# KiCad board corne-cherry.kicad_pcb
title: Corne; date: 2023-10-22; rev: 4.0.0; company: foostan
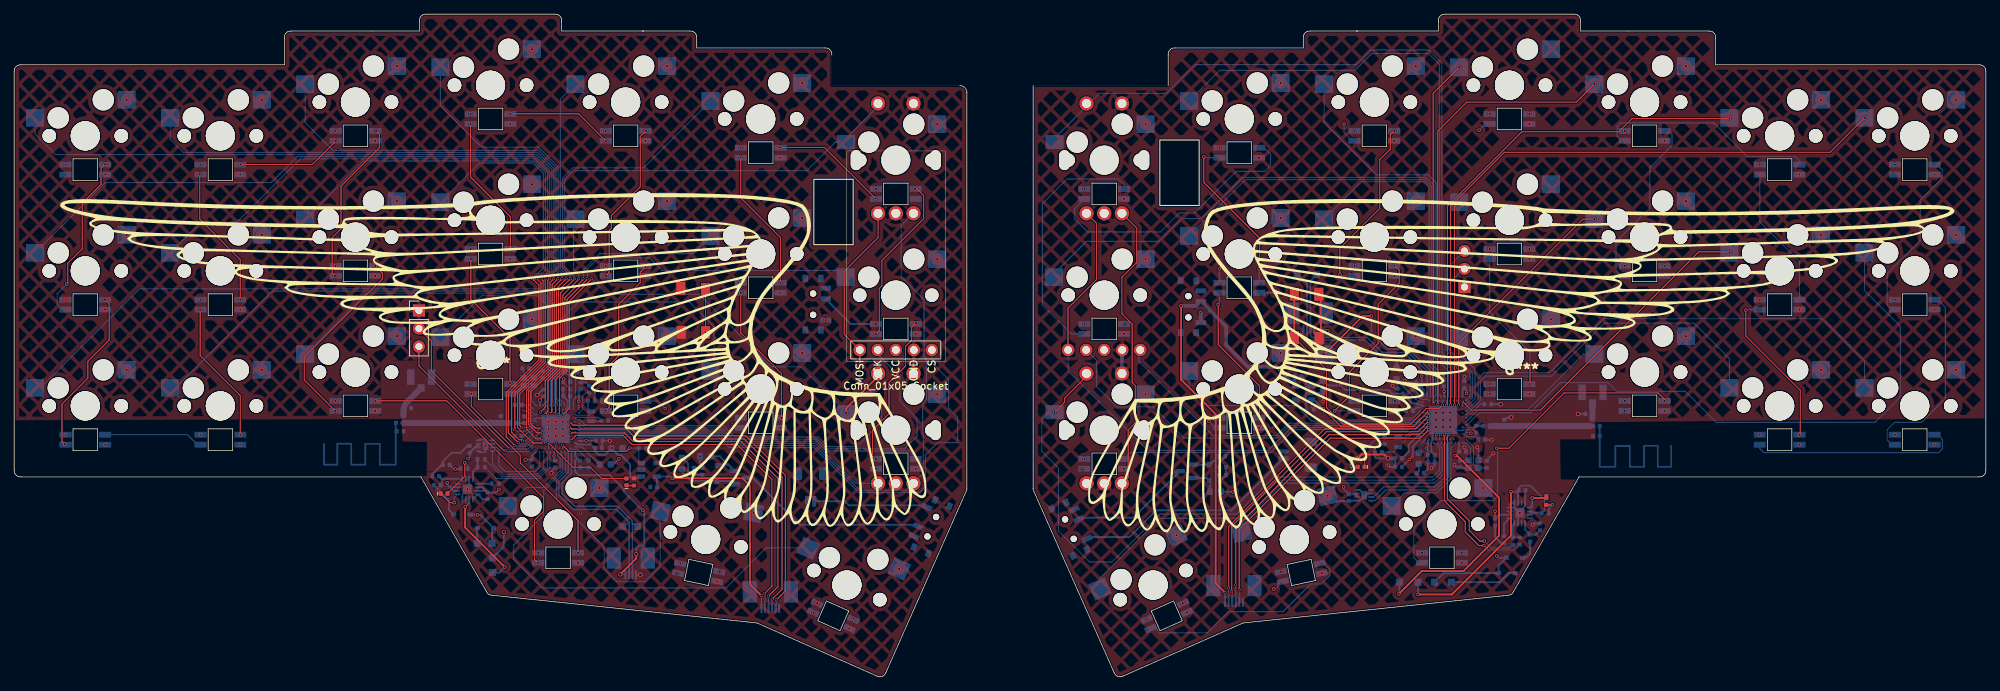
[diagram p0: board, top side]
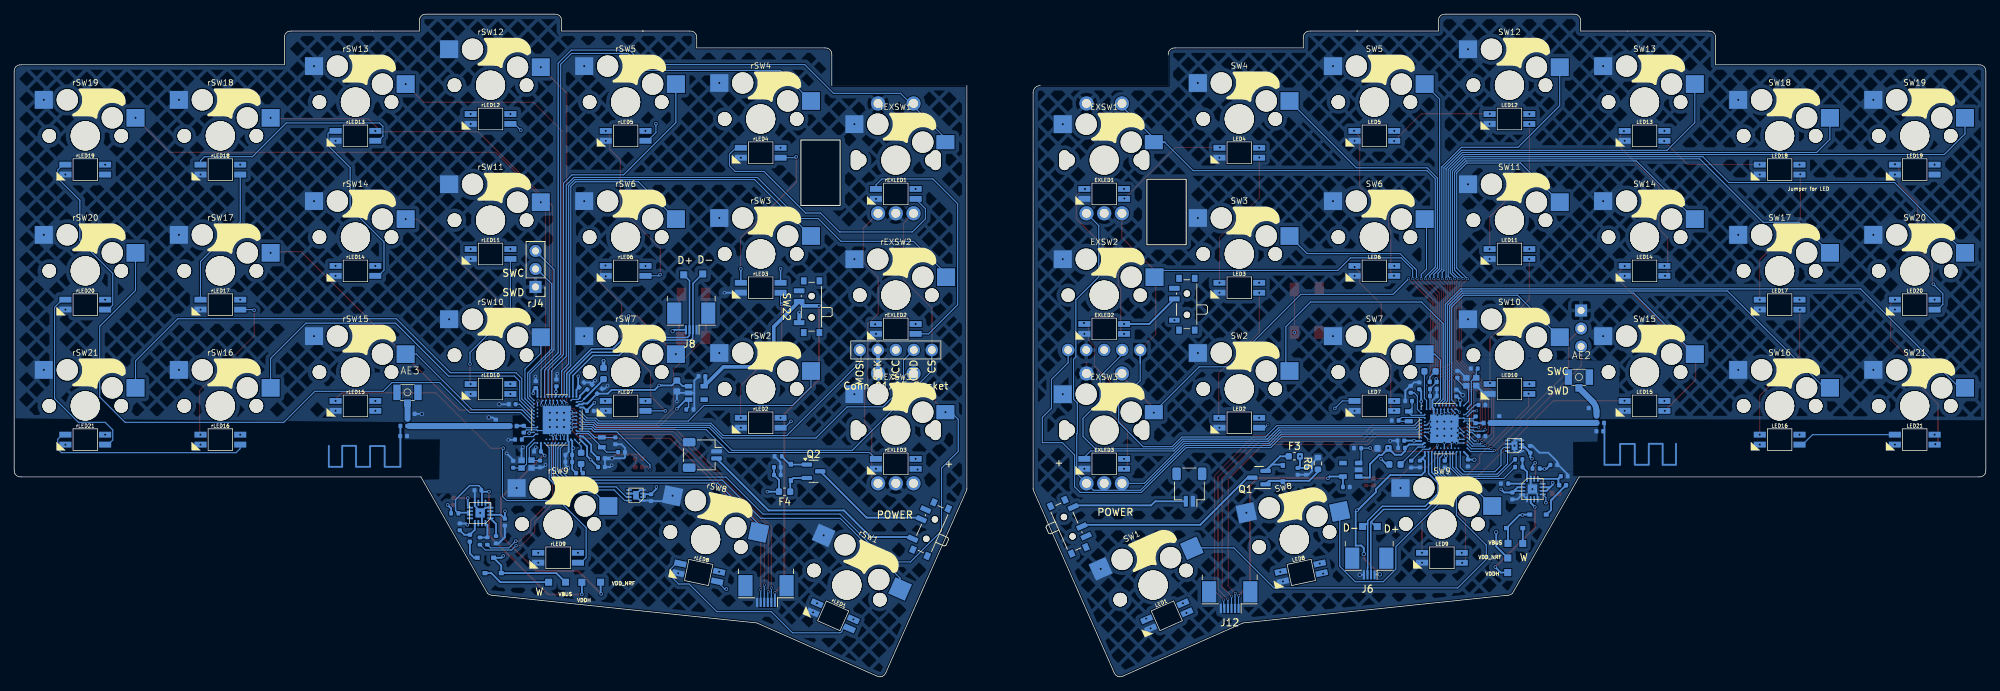
[diagram p1: board, bottom side, seen from below]

Outline 278.04 x 93.5 mm; copper layers: Top, power (plane), gnd (plane), Bottom. Coordinates in mm from the lower left corner of the outline.
Outline path: rectangle 112.77,70.21 118.31,60.97 ; rectangle 161.57,75.75 167.11,66.51 ; 0,85.36 0,29.21 ; 1,28.21 57.36,28.21 66.61,12.01 ; 38.1,90.12 38.1,86.36 1,86.36 ; 39.1,91.12 57.15,91.12 57.15,92.5 ; 67.38,11.51 104.73,7.61 121.62,0.13 ; 76.2,93.5 58.15,93.5 ; 77.2,92.5 77.2,91.12 88.72,91.12 88.6,91.12 95.25,91.12 ; 96.25,90.12 96.25,88.74 114.3,88.74 ; 115.3,87.74 115.3,83.43 133.35,83.43 arc(134.06,83.13) 134.35,82.43 134.35,26.62 ; 122.94,0.64 134.26,26.21 ; 143.69,26.62 143.69,83.43 162.74,83.43 162.74,87.74 ; 143.78,26.21 155.1,0.64 ; 156.42,0.13 173.31,7.61 210.66,11.51 ; 181.79,90.12 181.79,88.74 163.74,88.74 ; 182.79,91.12 189.44,91.12 189.33,91.12 200.84,91.12 200.84,92.5 ; 211.43,12.01 220.68,28.21 277.04,28.21 ; 219.89,93.5 201.84,93.5 ; 220.89,92.5 220.89,91.12 238.94,91.12 ; 239.94,90.12 239.94,86.36 277.04,86.36 ; 278.04,29.21 278.04,85.36
Stack: Top 0.035mm / dielectric 0.1mm FR4 er 4.5 / power 0.035mm / dielectric 1.24mm FR4 er 4.5 / gnd 0.035mm / dielectric 0.1mm FR4 er 4.5 / Bottom 0.035mm

## Placement (name value [footprint] x y rotation side)
AE1  Antenna  [2.4GHz-meander-antenna-v2#2]  43.78 35.65 180 bottom
AE2  Antenna  [BWIPX-1-001E]  57.38 42.3 180 bottom
AE3  Antenna  [BWIPX-1-001E]  222.58 40.14 180 bottom
AE4  Antenna  [2.4GHz-meander-antenna-v2]  223.57 35.35 180 bottom
C1  15pF  [Capacitor_0402_1005M-nosilk]  72.14 43.5 0 bottom
C2  15pF  [Capacitor_0402_1005M-nosilk]  74.53 42.69 90 bottom
C3  100nF  [Capacitor_0402_1005M-nosilk]  81.1 40.58 90 bottom
C4  100pF  [Capacitor_0402_1005M-nosilk]  71.05 38.37 180 bottom
C5  1nF  [Capacitor_0402_1005M-nosilk]  71.05 33.97 180 bottom
C7  4.7uF  [Capacitor_0402_1005M-nosilk]  81.03 30.01 270 bottom
C8  4.7uF  [Capacitor_0402_1005M-nosilk]  79.8 30.03 90 bottom
C9  1uF  [Capacitor_0402_1005M-nosilk]  77.91 40.61 0 bottom
C10  47nF  [Capacitor_0402_1005M-nosilk]  77.91 39.62 0 bottom
C11  1.5pF  [Capacitor_0402_1005M-nosilk]  55.51 37.93 0 bottom
C12  1.5pF  [Capacitor_0402_1005M-nosilk]  54.43 34.65 180 bottom
C13  1pF  [Capacitor_0402_1005M-nosilk]  68.61 36.31 270 bottom
C14  1pF  [Capacitor_0402_1005M-nosilk]  71.94 36.27 270 bottom
C15  15pF  [Capacitor_0402_1005M-nosilk]  81.39 38.93 180 bottom
C16  1uF  [Capacitor_0402_1005M-nosilk]  97.04 28.99 270 bottom
C17  15pF  [Capacitor_0402_1005M-nosilk]  83.3 36.17 180 bottom
C18  10uF  [Capacitor_0603_1608M-nosilk]  85.01 32.24 180 bottom
C19  4.7uF  [Capacitor_0402_1005M-nosilk]  90.18 26.77 0 bottom
C20  100nF  [Capacitor_0402_1005M-nosilk]  64.24 32.11 270 bottom
C21  1uF  [Capacitor_0402_1005M-nosilk]  59.44 28.31 180 bottom
C22  4.7uF  [Capacitor_0402_1005M-nosilk]  60.92 29.91 0 bottom
C23  4.7uF  [Capacitor_0402_1005M-nosilk]  66.77 25.53 90 bottom
C24  4.7uF  [Capacitor_0402_1005M-nosilk]  82.4 32.3 180 bottom
C25  100nF  [Capacitor_0402_1005M-nosilk]  76.3 30.02 90 bottom
C26  100nF  [Capacitor_0402_1005M-nosilk]  74.66 40.05 270 bottom
C27  100nF  [Capacitor_0402_1005M-nosilk]  73.02 30.17 90 bottom
C28  4.7uF  [Capacitor_0402_1005M-nosilk]  82.5 33.33 180 bottom
C29  1uF  [Capacitor_0402_1005M-nosilk]  79.9 41.07 270 bottom
C30  4.7uF  [Capacitor_0402_1005M-nosilk]  95.86 29 270 bottom
C31  4.7uF  [Capacitor_0402_1005M-nosilk]  198.03 41.2 135 bottom
C32  1uF  [Capacitor_0402_1005M-nosilk]  199.83 31.3 180 bottom
C33  47nF  [Capacitor_0402_1005M-nosilk]  199.83 30.31 180 bottom
C34  4.7uF  [Capacitor_0402_1005M-nosilk]  196.88 40.9 135 bottom
C35  1nF  [Capacitor_0402_1005M-nosilk]  207.81 38.47 0 bottom
C36  100pF  [Capacitor_0402_1005M-nosilk]  206.93 33.48 0 bottom
C37  100nF  [Capacitor_0402_1005M-nosilk]  195.23 30.83 180 bottom
C38  1.5pF  [Capacitor_0402_1005M-nosilk]  222.04 37.1 180 bottom
C39  1pF  [Capacitor_0402_1005M-nosilk]  206.18 34.94 90 bottom
C40  1pF  [Capacitor_0402_1005M-nosilk]  210.12 35.81 270 bottom
C41  1.5pF  [Capacitor_0402_1005M-nosilk]  223.12 33.97 0 bottom
C42  15pF  [Capacitor_0402_1005M-nosilk]  207.67 29.99 90 bottom
C43  15pF  [Capacitor_0402_1005M-nosilk]  203.89 30.03 270 bottom
C44  15pF  [Capacitor_0402_1005M-nosilk]  192.38 31.7 0 bottom
C45  15pF  [Capacitor_0402_1005M-nosilk]  193.26 33.29 90 bottom
C46  100nF  [Capacitor_0402_1005M-nosilk]  188.23 25.28 90 bottom
C47  1uF  [Capacitor_0402_1005M-nosilk]  170.42 29.58 180 bottom
C48  4.7uF  [Capacitor_0402_1005M-nosilk]  170.41 28.48 180 bottom
C49  1uF  [Capacitor_0402_1005M-nosilk]  215.2 21.16 90 bottom
C50  4.7uF  [Capacitor_0402_1005M-nosilk]  212.65 26.32 180 bottom
C51  4.7uF  [Capacitor_0402_1005M-nosilk]  208.84 21.82 90 bottom
C52  10uF  [Capacitor_0603_1608M-nosilk]  184.58 41.04 90 bottom
C53  4.7uF  [Capacitor_0402_1005M-nosilk]  181.05 42.41 180 bottom
C54  4.7uF  [Capacitor_0402_1005M-nosilk]  195.48 40.3 315 bottom
C55  100nF  [Capacitor_0402_1005M-nosilk]  201.57 41.48 270 bottom
C56  100nF  [Capacitor_0402_1005M-nosilk]  204.49 41.24 270 bottom
C57  100nF  [Capacitor_0402_1005M-nosilk]  204.25 31.8 180 bottom
C58  4.7uF  [Capacitor_0402_1005M-nosilk]  196.79 37.52 0 bottom
C59  1uF  [Capacitor_0402_1005M-nosilk]  195.21 29.6 0 bottom
D1  PMEG4010CEJ  [D_SOD-323F-nosilk]  66.45 20.99 180 bottom
D2  PMEG4010CEJ  [D_SOD-323F-nosilk]  63.15 22.89 0 bottom
D3  ORANGE  [LED_0402_1005Metric-nosilk]  60.62 25.86 0 top
D4  BLUE  [LED_0402_1005Metric-nosilk]  86.36 27.5 90 top
D5  PMEG4010CEJ  [D_SOD-323F-nosilk]  99.12 28.68 270 bottom
D6  BLUE  [LED_0402_1005Metric-nosilk]  189.95 29.62 180 top
D7  PMEG4010CEJ  [D_SOD-323F-nosilk]  168.51 28.85 90 bottom
D8  PMEG4010CEJ  [D_SOD-323F-nosilk]  211.59 16.8 180 bottom
D9  ORANGE  [LED_0402_1005Metric-nosilk]  216.06 24.74 270 top
D10  PMEG4010CEJ  [D_SOD-323F-nosilk]  210.5 14.63 0 bottom
EXLED1  -  [YS-SK6812MINI-E]  124.33 68.14 180 bottom
EXLED2  -  [YS-SK6812MINI-E]  124.33 49.09 180 bottom
EXLED3  -  [YS-SK6812MINI-E]  124.33 30.05 180 bottom
EXSW1  RotaryEncoder_Switch  [keyswitch_cherrymx_hotswap_1u_rotary_encoder_ec12]  124.33 72.9 180 bottom
EXSW2  RotaryEncoder_Switch  [keyswitch_cherrymx_hotswap_1u#2]  124.33 53.85 180 bottom
EXSW3  RotaryEncoder_Switch  [keyswitch_cherrymx_hotswap_1u_rotary_encoder_ec12]  124.33 34.8 180 bottom
F2  500mA hold  [Fuse_0402_1005Metric]  59.67 27.04 180 bottom
F3  BSMD0603-050-12V  [Fuse_0603_1608Metric]  97.51 31.12 180 bottom
F4  BSMD0603-050-12V  [Fuse_0603_1608Metric]  169.39 26.12 0 bottom
F5  500mA hold  [Fuse_0402_1005Metric]  213.78 19.56 270 bottom
G***  LOGO  [wing]  212.56 43.39 0 top
G***#2  LOGO  [wing]  67.52 44.22 0 top
J2  Conn_01x02  [JST_SH_SM02B-SRSS-TB_1x02-1MP_P1.00mm_Horizontal]  112.32 26.77 0 bottom
J4  Conn_01x03  [PinHeader_1x03_P2.54mm_Vertical]  57.07 51.69 0 top
J6  Conn_01x04  [Jushuo_AFC07-S04FCA-00_1x4-1MP_P0.50_Horizontal]  86.95 15.99 0 bottom
J7  Conn_01x05_Socket  [nice_view]  124.33 62.63 0 top
J8  Conn_01x04  [Jushuo_AFC07-S04FCA-00_1x4-1MP_P0.50_Horizontal]  182.56 50.57 0 bottom
J9  Conn_01x02  [JST_SH_SM02B-SRSS-TB_1x02-1MP_P1.00mm_Horizontal]  180.98 31.31 270 bottom
J10  Conn_01x05_Socket  [nice_view]  153.72 62.63 180 bottom
J11  Conn_01x06_Socket  [Jushuo_AFC07-S06FCA-00_1x6-1MP_P0.50_Horizontal]  172.02 12.11 0 bottom
J12  Conn_01x06_Socket  [Jushuo_AFC07-S06FCA-00_1x6-1MP_P0.50_Horizontal]  106.63 11.25 0 bottom
L1  15nH  [Inductor_0402_1005M-nosilk]  77.93 41.62 0 bottom
L2  10uH  [Inductor_0603_1608M-nosilk]  78.38 43.11 0 bottom
L3  10uH  [Inductor_0603_1608M-nosilk]  83.32 29.97 180 bottom
L4  3.9nH  [Inductor_0402_1005M-nosilk]  70.34 35.81 0 bottom
L5  15nH  [Inductor_0402_1005M-nosilk]  198.32 28.75 180 bottom
L6  10uH  [Inductor_0603_1608M-nosilk]  198.09 30.82 90 bottom
L7  10uH  [Inductor_0603_1608M-nosilk]  194.93 42.79 270 bottom
L8  3.9nH  [Inductor_0402_1005M-nosilk]  207.67 35.38 180 bottom
LED1  -  [YS-SK6812MINI-E]  115.5 8.6 156.1 bottom
LED2  -  [YS-SK6812MINI-E]  105.28 35.85 180 bottom
LED3  -  [YS-SK6812MINI-E]  105.28 54.9 180 bottom
LED4  -  [YS-SK6812MINI-E]  105.28 73.95 180 bottom
LED5  -  [YS-SK6812MINI-E]  86.23 76.33 180 bottom
LED6  -  [YS-SK6812MINI-E]  86.23 57.28 180 bottom
LED7  -  [YS-SK6812MINI-E]  86.23 38.23 180 bottom
LED8  -  [YS-SK6812MINI-E]  96.53 14.73 168.1 bottom
LED9  -  [YS-SK6812MINI-E]  76.7 16.8 180 bottom
LED10  -  [YS-SK6812MINI-E]  67.18 40.61 180 bottom
LED11  -  [YS-SK6812MINI-E]  67.18 59.66 180 bottom
LED12  -  [YS-SK6812MINI-E]  67.18 78.71 180 bottom
LED13  -  [YS-SK6812MINI-E]  48.13 76.33 180 bottom
LED14  -  [YS-SK6812MINI-E]  48.13 57.28 180 bottom
LED15  -  [YS-SK6812MINI-E]  48.13 38.23 180 bottom
LED16  -  [YS-SK6812MINI-E]  29.08 33.47 180 bottom
LED17  -  [YS-SK6812MINI-E]  29.08 52.52 180 bottom
LED18  -  [YS-SK6812MINI-E]  29.08 71.57 180 bottom
LED19  -  [YS-SK6812MINI-E]  10.03 71.57 180 bottom
LED20  -  [YS-SK6812MINI-E]  10.03 52.52 180 bottom
LED21  -  [YS-SK6812MINI-E]  10.03 33.47 180 bottom
NT1  NetTie_2  [net-tie-2-tiny]  74.28 36.5 0 bottom
NT2  NetTie_2  [net-tie-2-tiny]  203.53 34.75 180 bottom
Q1  AO3401A  [SOT-23]  102.51 28.11 0 bottom
Q2  AO3401A  [SOT-23]  165.31 29 180 bottom
R3  0R  [Resistor_0402_1005M-nosilk]  54.35 35.83 180 bottom
R4  2M  [Resistor_0402_1005M-nosilk]  88.6 32.27 0 bottom
R5  0R  [Resistor_0402_1005M-nosilk]  222.56 35.89 90 bottom
R6  100R  [R_0603_1608Metric]  94.19 30.11 90 bottom
R7  0R  [Resistor_0402_1005M-nosilk]  54.89 36.34 90 bottom
R8  0R  [Resistor_0402_1005M-nosilk]  223.06 35.39 0 bottom
R9  10k  [Resistor_0402_1005M-nosilk]  65.86 29.6 180 bottom
R10  3.9k  [Resistor_0402_1005M-nosilk]  65.86 30.69 0 bottom
R11  10k  [Resistor_0402_1005M-nosilk]  63.42 29.39 0 bottom
R12  10k  [Resistor_0402_1005M-nosilk]  67.87 27.27 0 bottom
R13  1.5k  [Resistor_0402_1005M-nosilk]  87.4 27.49 270 top
R14  1.5k  [Resistor_0402_1005M-nosilk]  189.94 30.77 0 top
R15  100R  [Resistor_0402_1005M-nosilk]  170.31 31.11 0 bottom
R16  10k  [Resistor_0402_1005M-nosilk]  212.36 19.15 90 bottom
R17  3.9k  [Resistor_0402_1005M-nosilk]  211.31 19.16 270 bottom
R18  10k  [Resistor_0402_1005M-nosilk]  215.91 23.07 0 bottom
R19  10k  [Resistor_0402_1005M-nosilk]  210.09 19.34 270 bottom
R20  2M  [Resistor_0402_1005M-nosilk]  182.75 37.72 180 bottom
rEXLED1  -  [YS-SK6812MINI-E]  153.72 68.14 180 bottom
rEXLED2  -  [YS-SK6812MINI-E]  153.72 49.09 180 bottom
rEXLED3  -  [YS-SK6812MINI-E]  153.72 30.05 180 bottom
rEXSW1  RotaryEncoder_Switch  [keyswitch_cherrymx_hotswap_1u_rotary_encoder_ec12]  153.72 72.9 180 bottom
rEXSW2  RotaryEncoder_Switch  [keyswitch_cherrymx_hotswap_1u]  153.72 53.85 180 bottom
rEXSW3  RotaryEncoder_Switch  [keyswitch_cherrymx_hotswap_1u_rotary_encoder_ec12]  153.72 34.8 180 bottom
rJ4  Conn_01x03  [PinHeader_1x03_P2.54mm_Vertical]  204.52 55.01 0 bottom
rLED1  -  [YS-SK6812MINI-E]  162.54 8.6 203.9 bottom
rLED2  -  [YS-SK6812MINI-E]  172.77 35.85 180 bottom
rLED3  -  [YS-SK6812MINI-E]  172.77 54.9 180 bottom
rLED4  -  [YS-SK6812MINI-E]  172.77 73.95 180 bottom
rLED5  -  [YS-SK6812MINI-E]  191.82 76.33 180 bottom
rLED6  -  [YS-SK6812MINI-E]  191.82 57.28 180 bottom
rLED7  -  [YS-SK6812MINI-E]  191.82 38.23 180 bottom
rLED8  -  [YS-SK6812MINI-E]  181.51 14.73 191.9 bottom
rLED9  -  [YS-SK6812MINI-E]  201.34 16.8 180 bottom
rLED10  -  [YS-SK6812MINI-E]  210.87 40.61 180 bottom
rLED11  -  [YS-SK6812MINI-E]  210.87 59.66 180 bottom
rLED12  -  [YS-SK6812MINI-E]  210.87 78.71 180 bottom
rLED13  -  [YS-SK6812MINI-E]  229.92 76.33 180 bottom
rLED14  -  [YS-SK6812MINI-E]  229.92 57.28 180 bottom
rLED15  -  [YS-SK6812MINI-E]  229.92 38.23 180 bottom
rLED16  -  [YS-SK6812MINI-E]  248.97 33.47 180 bottom
rLED17  -  [YS-SK6812MINI-E]  248.97 52.52 180 bottom
rLED18  -  [YS-SK6812MINI-E]  248.97 71.57 180 bottom
rLED19  -  [YS-SK6812MINI-E]  268.02 71.57 180 bottom
rLED20  -  [YS-SK6812MINI-E]  268.02 52.52 180 bottom
rLED21  -  [YS-SK6812MINI-E]  268.02 33.47 180 bottom
rSMDSW1  GT-TW084A-H015-L1  [PushSwitch]  182.22 50.89 270 top
rSMDSW3  GT-TW084A-H015-L1  [PushSwitch]  95.8 51.69 90 top
rSW1  SW_Push  [keyswitch_cherrymx_hotswap_1u]  160.62 12.95 203.9 bottom
rSW2  SW_Push  [keyswitch_cherrymx_hotswap_1u]  172.77 40.61 180 bottom
rSW3  SW_Push  [keyswitch_cherrymx_hotswap_1u]  172.77 59.66 180 bottom
rSW4  SW_Push  [keyswitch_cherrymx_hotswap_1u]  172.77 78.71 180 bottom
rSW5  SW_Push  [keyswitch_cherrymx_hotswap_1u]  191.82 81.09 180 bottom
rSW6  SW_Push  [keyswitch_cherrymx_hotswap_1u]  191.82 62.04 180 bottom
rSW7  SW_Push  [keyswitch_cherrymx_hotswap_1u]  191.82 42.99 180 bottom
rSW8  SW_Push  [keyswitch_cherrymx_hotswap_1u]  180.53 19.37 191.9 bottom
rSW9  SW_Push  [keyswitch_cherrymx_hotswap_1u]  201.34 21.56 180 bottom
rSW10  SW_Push  [keyswitch_cherrymx_hotswap_1u]  210.87 45.37 180 bottom
rSW11  SW_Push  [keyswitch_cherrymx_hotswap_1u]  210.87 64.42 180 bottom
rSW12  SW_Push  [keyswitch_cherrymx_hotswap_1u]  210.87 83.47 180 bottom
rSW13  SW_Push  [keyswitch_cherrymx_hotswap_1u]  229.92 81.09 180 bottom
rSW14  SW_Push  [keyswitch_cherrymx_hotswap_1u]  229.92 62.04 180 bottom
rSW15  SW_Push  [keyswitch_cherrymx_hotswap_1u]  229.92 42.99 180 bottom
rSW16  SW_Push  [keyswitch_cherrymx_hotswap_1u]  248.97 38.23 180 bottom
rSW17  SW_Push  [keyswitch_cherrymx_hotswap_1u]  248.97 57.28 180 bottom
rSW18  SW_Push  [keyswitch_cherrymx_hotswap_1u]  248.97 76.33 180 bottom
rSW19  SW_Push  [keyswitch_cherrymx_hotswap_1u]  268.02 76.33 180 bottom
rSW20  SW_Push  [keyswitch_cherrymx_hotswap_1u]  268.02 57.28 180 bottom
rSW21  SW_Push  [keyswitch_cherrymx_hotswap_1u]  268.02 38.23 180 bottom
SW1  SW_Push  [keyswitch_cherrymx_hotswap_1u]  117.42 12.95 156.1 bottom
SW2  SW_Push  [keyswitch_cherrymx_hotswap_1u]  105.28 40.61 180 bottom
SW3  SW_Push  [keyswitch_cherrymx_hotswap_1u]  105.28 59.66 180 bottom
SW4  SW_Push  [keyswitch_cherrymx_hotswap_1u]  105.28 78.71 180 bottom
SW5  SW_Push  [keyswitch_cherrymx_hotswap_1u]  86.23 81.09 180 bottom
SW6  SW_Push  [keyswitch_cherrymx_hotswap_1u]  86.23 62.04 180 bottom
SW7  SW_Push  [keyswitch_cherrymx_hotswap_1u]  86.23 42.99 180 bottom
SW8  SW_Push  [keyswitch_cherrymx_hotswap_1u]  97.51 19.38 168.1 bottom
SW9  SW_Push  [keyswitch_cherrymx_hotswap_1u]  76.7 21.56 180 bottom
SW10  SW_Push  [keyswitch_cherrymx_hotswap_1u]  67.18 45.37 180 bottom
SW11  SW_Push  [keyswitch_cherrymx_hotswap_1u]  67.18 64.42 180 bottom
SW12  SW_Push  [keyswitch_cherrymx_hotswap_1u]  67.18 83.47 180 bottom
SW13  SW_Push  [keyswitch_cherrymx_hotswap_1u]  48.13 81.09 180 bottom
SW14  SW_Push  [keyswitch_cherrymx_hotswap_1u]  48.13 62.04 180 bottom
SW15  SW_Push  [keyswitch_cherrymx_hotswap_1u]  48.13 42.99 180 bottom
SW16  SW_Push  [keyswitch_cherrymx_hotswap_1u]  29.08 38.23 180 bottom
SW17  SW_Push  [keyswitch_cherrymx_hotswap_1u]  29.08 57.28 180 bottom
SW18  SW_Push  [keyswitch_cherrymx_hotswap_1u]  29.08 76.33 180 bottom
SW19  SW_Push  [keyswitch_cherrymx_hotswap_1u]  10.03 76.33 180 bottom
SW20  SW_Push  [keyswitch_cherrymx_hotswap_1u]  10.03 57.28 180 bottom
SW21  SW_Push  [keyswitch_cherrymx_hotswap_1u]  10.03 38.23 180 bottom
SW22  SW_SPST  [SW_SPDT_PCM12]  165.92 52.22 90 bottom
SW23  SW_SPST  [SW_SPDT_PCM12]  149.1 20.97 113.9 bottom
SW24  SW_SPST  [SW_SPDT_PCM12]  112.99 52.58 90 bottom
SW25  SW_SPST  [SW_SPDT_PCM12]  129.09 21.32 246.1 bottom
TP1  PAD  [TestPoint_Pad_1.0x1.0mm-nosilk]  67.42 16.77 180 bottom
TP2  PAD  [TestPoint_Pad_1.0x1.0mm-nosilk]  67.43 14.71 180 bottom
TP3  PAD  [TestPoint_Pad_1.0x1.0mm-nosilk]  65.31 18.81 180 bottom
TP4  PAD  [TestPoint_Pad_1.0x1.0mm-nosilk]  87.9 21.22 180 bottom
TP5  PAD  [TestPoint_Pad_1.0x1.0mm-nosilk]  85.81 21.2 180 bottom
TP6  PAD  [TestPoint_Pad_1.0x1.0mm-nosilk]  67.39 18.83 180 bottom
TP7  PAD  [TestPoint_Pad_1.0x1.0mm-nosilk]  202.67 13.35 180 bottom
TP8  PAD  [TestPoint_Pad_1.0x1.0mm-nosilk]  195.34 13.35 180 bottom
TP9  PAD  [TestPoint_Pad_1.0x1.0mm-nosilk]  197.98 13.34 180 bottom
TP10  PAD  [TestPoint_Pad_1.0x1.0mm-nosilk]  180.94 56.84 180 bottom
TP11  PAD  [TestPoint_Pad_1.0x1.0mm-nosilk]  183.62 56.72 180 bottom
TP12  PAD  [TestPoint_Pad_1.0x1.0mm-nosilk]  200.29 13.35 180 bottom
U1  nRF52840  [AQFN-73-1EP_7x7mm_P0.5mm_NRF52840-custom]  76.36 35 180 bottom
U2  nRF52840  [AQFN-73-1EP_7x7mm_P0.5mm_NRF52840-custom]  201.5 36.25 0 bottom
U4  MAX17048  [TDFN-8-1EP_2x2mm_P0.5mm_EP0.8x1.2mm]  190.35 25.62 0 bottom
U5  XC6220B331MR  [SOT-23-5]  89.55 29.22 0 bottom
U6  MAX17048  [TDFN-8-1EP_2x2mm_P0.5mm_EP0.8x1.2mm]  66.46 32.62 0 bottom
U7  BQ24075RGT  [VQFN-16-1EP_3x3mm_P0.5mm_EP1.6x1.6mm]  63.93 26.5 180 bottom
U8  BQ24075RGT  [VQFN-16-1EP_3x3mm_P0.5mm_EP1.6x1.6mm]  212.33 23.12 0 bottom
U9  XC6220B331MR  [SOT-23-5]  181.84 40.06 180 bottom
Y1  32MHz  [Crystal_SMD_2016-4Pin_2.0x1.6mm]  72.56 41.63 0 bottom
Y2  32.768 kHz  [Crystal_SMD_2012-2Pin_2.0x1.2mm]  81.36 36.76 270 bottom
Y3  32MHz  [Crystal_SMD_2016-4Pin_2.0x1.6mm]  205.79 30.02 180 bottom
Y4  32.768 kHz  [Crystal_SMD_2012-2Pin_2.0x1.2mm]  195.17 33.09 90 bottom

## Library data of the parts
C1 C2 C15 C17 = -: JLC Part: C1548; LCSC Part: C1548; Manufacturer Part: CL05C150JB51PNC; ki_fp_filters: C_*
C3 C25-C27 = -: Digikey: 1276-6720-1-ND; JLC Part: C1525; LCSC Part: C307331; Manufacturer Part: CL05B104KA5NNNC; ki_fp_filters: C_*
C4 = -: Digikey: 478-1082-1-ND; JLC Part: C1546; LCSC Part: C1546; Manufacturer Part: CL05C101JB5NNNC; ki_fp_filters: C_*
C5 = -: Digikey: 1276-1032-1-ND; JLC Part: C1523; LCSC Part: C1523; Manufacturer Part: CL05B102KB5NNNC; ki_fp_filters: C_*
C7 C8 C16 C19 C22-C24 C28 C30 = -: Digikey: 1276-1784-1-ND; JLC Part: C23733; LCSC Part: C23733; Manufacturer Part: CL05A475KP5NRNC; ki_fp_filters: C_*
C9 C21 C29 = -: Digikey: 1276-1067-1-ND; JLC Part: C52923; LCSC Part: C52923; Manufacturer Part: CL05A105KO5NNNC; ki_fp_filters: C_*
C10 = -: Digikey: 1276-1077-1-ND; JLC Part: C26403; LCSC Part: C726525; Manufacturer Part: CL05B473KO5NNNC; ki_fp_filters: C_*
C11 C38 C41 = -: Digikey: 1276-1658-1-ND; LCSC Part: C1552; Manufacturer Part: CL05C1R5CB5NNNC; JLC Part: C1552; ki_fp_filters: C_*
C12 = -: Digikey: 1276-1658-1-ND; JLC Part: C1552; LCSC Part: C1552; Manufacturer Part: CL05C1R5CB5NNNC; ki_fp_filters: C_*
C13 C14 = -: Digikey: 1276-1595-1-ND; JLC Part: C1550; LCSC Part: C1550; Manufacturer Part: CL05C010CB5NNNC; ki_fp_filters: C_*
C18 = -: JLC Part: C19702; LCSC Part: C19702; Manufacturer Part: CL10A106KP8NNNC; ki_fp_filters: C_*
C20 = -: Digikey: 1276-1499-1-ND; JLC Part: C15195; LCSC Part: C307331; Manufacturer Part: CL05B103KB5NNNC; ki_fp_filters: C_*
C31 C47 C48 C50 C51 C53 C54 C58 = -: Digikey: 1276-1784-1-ND; LCSC Part: C23733; Manufacturer Part: CL05A475KP5NRNC; JLC Part: C23733; ki_fp_filters: C_*
C32 C49 C59 = -: Digikey: 1276-1067-1-ND; LCSC Part: C52923; Manufacturer Part: CL05A105KO5NNNC; JLC Part: C52923; ki_fp_filters: C_*
C33 = -: Digikey: 1276-1077-1-ND; LCSC Part: C726525; Manufacturer Part: CL05B473KO5NNNC; JLC Part: C26403; ki_fp_filters: C_*
C34 = -: LCSC Part: C23733; Manufacturer Part: CL05A475KP5NRNC; JLC Part: C23733; Digikey: 1276-1784-1-ND; ki_fp_filters: C_*
C35 = -: LCSC Part: C1523; Manufacturer Part: CL05B102KB5NNNC; JLC Part: C1523; Digikey: 1276-1032-1-ND; ki_fp_filters: C_*
C36 = -: Digikey: 478-1082-1-ND; LCSC Part: C1546; Manufacturer Part: CL05C101JB5NNNC; JLC Part: C1546; ki_fp_filters: C_*
C37 C55-C57 = -: Digikey: 1276-6720-1-ND; LCSC Part: C307331; Manufacturer Part: CL05B104KA5NNNC; JLC Part: C1525; ki_fp_filters: C_*
C39 C40 = -: Digikey: 1276-1595-1-ND; LCSC Part: C1550; Manufacturer Part: CL05C010CB5NNNC; JLC Part: C1550; ki_fp_filters: C_*
C42-C45 = -: LCSC Part: C1548; Manufacturer Part: CL05C150JB51PNC; JLC Part: C1548; ki_fp_filters: C_*
C46 = -: LCSC Part: C307331; Manufacturer Part: CL05B103KB5NNNC; JLC Part: C15195; Digikey: 1276-1499-1-ND; ki_fp_filters: C_*
C52 = -: LCSC Part: C19702; Manufacturer Part: CL10A106KP8NNNC; JLC Part: C19702; ki_fp_filters: C_*
D1 D7 D8 D10 = -: LCSC Part: C50704; JLC Part: C50704; ki_fp_filters: TO-???* *_Diode_* *SingleDiode* D_*
D2 D5 = -: JLC Part: C50704; LCSC Part: C50704; ki_fp_filters: TO-???* *_Diode_* *SingleDiode* D_*
D3 D4 D6 D9 = -: ki_fp_filters: LED* LED_SMD:* LED_THT:*
EXSW1 EXSW3 rEXSW1 rEXSW3 = -: ki_fp_filters: RotaryEncoder*Switch*
EXSW2 rEXSW2 = -: Description: Push button switch, generic, two pins
F2 F5 = -: JLC Part: C206938; LCSC Part: C206938; Manufacturer Part: 0402L050SLKR; ki_fp_filters: *polyfuse* *PTC*
F3 F4 = -: Description: 12V 500mA 40A 1A 0603 Resettable Fuses ROHS; JLCPCB Part #: C2844464; ki_fp_filters: *Fuse*
J2 J4 J6 J8 J9 rJ4 = -: ki_fp_filters: Connector*:*_1x??_*
J7 J10 = -: Description: Generic connector, single row, 01x05, script generated; ki_fp_filters: Connector*:*_1x??_*
J11 J12 = -: Description: Generic connector, single row, 01x06, script generated; ki_fp_filters: Connector*:*_1x??_*
L1 = -: JLC Part: C27143; LCSC Part: C27143; Manufacturer Part: MLG1005S15NJT000; ki_fp_filters: Choke_* *Coil* Inductor_* L_*
L2 L3 = -: JLC Part: C1035; LCSC Part: C1035; Manufacturer Part: MLF1608E100KTD00; ki_fp_filters: Choke_* *Coil* Inductor_* L_*
L4 = -: JLC Part: C14033; LCSC Part: C14033; Manufacturer Part: MLG1005S3N9BT000; ki_fp_filters: Choke_* *Coil* Inductor_* L_*
L5 = -: LCSC Part: C27143; Manufacturer Part: MLG1005S15NJT000; JLC Part: C27143; ki_fp_filters: Choke_* *Coil* Inductor_* L_*
L6 L7 = -: LCSC Part: C1035; Manufacturer Part: MLF1608E100KTD00; JLC Part: C1035; ki_fp_filters: Choke_* *Coil* Inductor_* L_*
L8 = -: LCSC Part: C14033; Manufacturer Part: MLG1005S3N9BT000; JLC Part: C14033; ki_fp_filters: Choke_* *Coil* Inductor_* L_*
NT1 NT2 = -: ki_fp_filters: Net*Tie*
Q1 Q2 = -: Datasheet: http://www.aosmd.com/pdfs/datasheet/AO3401A.pdf; ki_fp_filters: SOT?23*
R3 = -: JLC Part: C17168; LCSC Part: C17168; Manufacturer Part: RC0402FR-070RL; ki_fp_filters: R_*
R4 = -: JLC Part: C138014; LCSC Part: C138014; Manufacturer Part: RC0402FR-072ML; ki_fp_filters: R_*
R5 R7 R8 = -: LCSC Part: C17168; Manufacturer Part: RC0402FR-070RL; JLC Part: C17168; ki_fp_filters: R_*
R6 = -: ki_fp_filters: R_*
R9 R11 R12 = -: JLC Part: C25744; LCSC Part: C25744; Manufacturer Part: RC0402FR-0710KL; ki_fp_filters: R_*
R10 = -: JLC Part: C51721; LCSC Part: C131467; Manufacturer Part: RC0402FR-073K9L; ki_fp_filters: R_*
R13 = -: JLC Part: C25867; LCSC Part: C114759; Manufacturer Part: RC0402FR-071K5L; ki_fp_filters: R_*
R14 = -: LCSC Part: C114759; Manufacturer Part: RC0402FR-071K5L; JLC Part: C25867; ki_fp_filters: R_*